# Altium PCB higgs.PcbDoc (part 13 of 25) (continued)
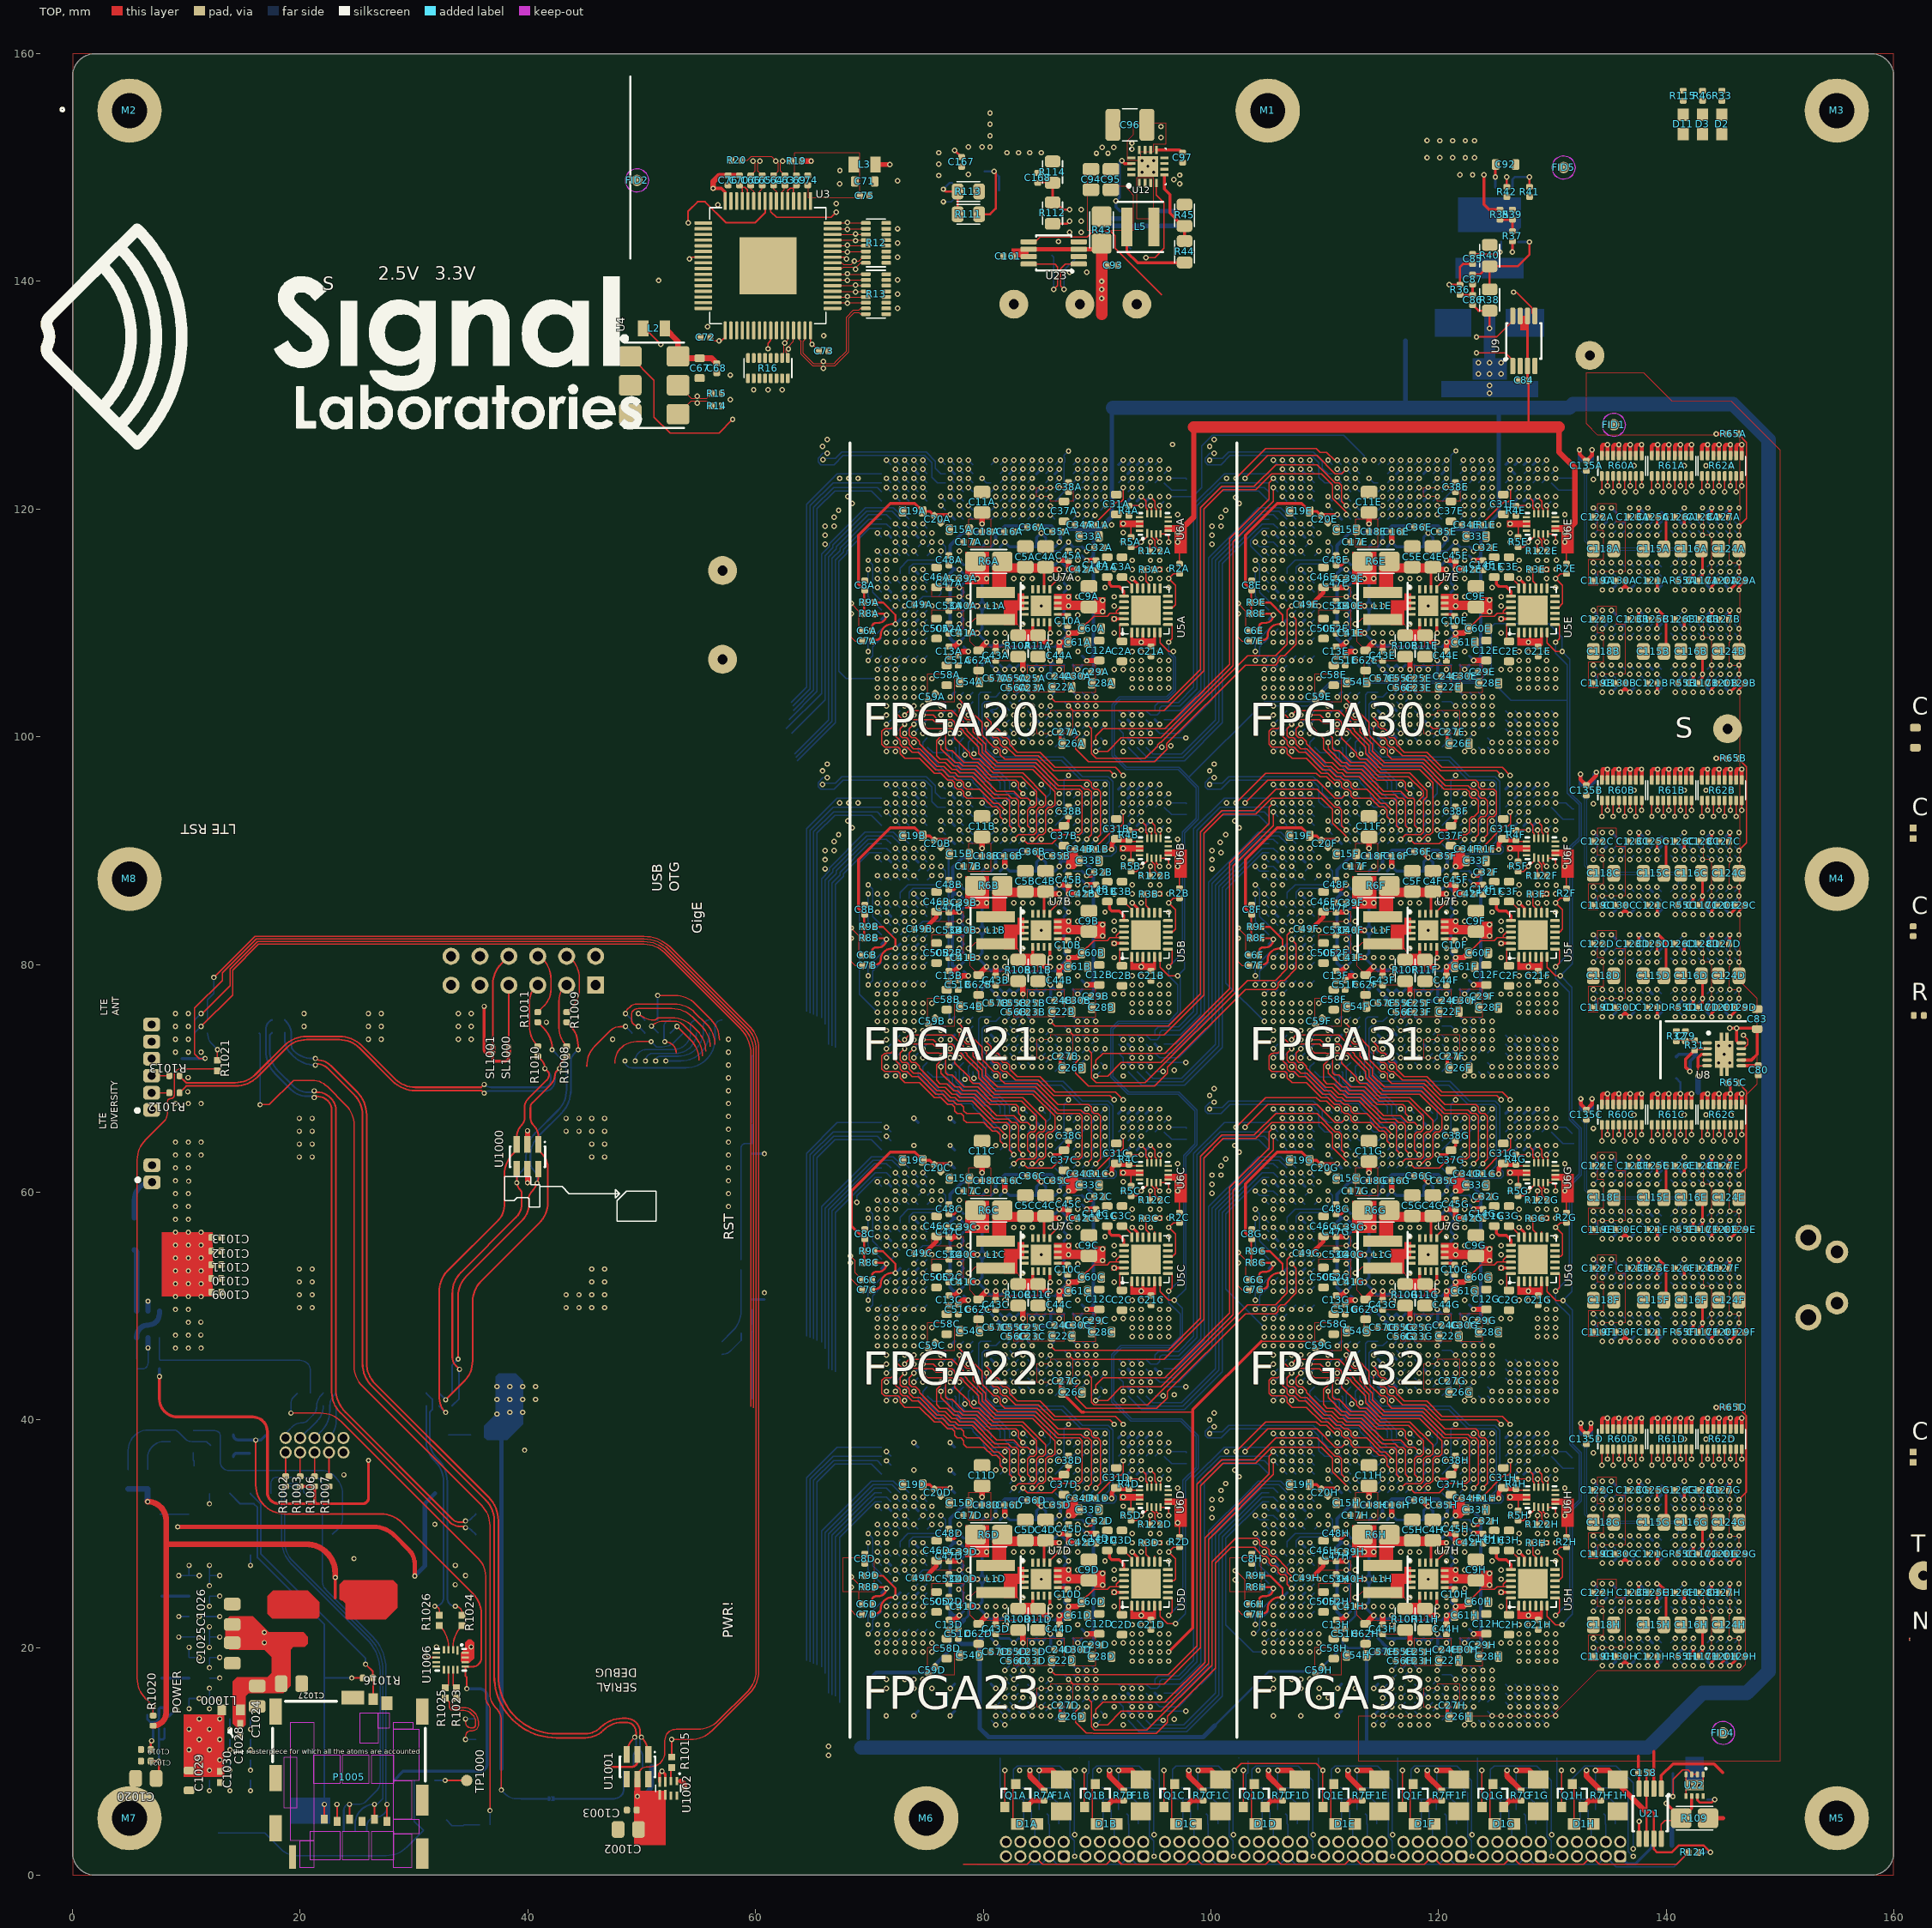
[diagram p0: TOP view]
## Nets (pads, with @x,y where several pads share a name; then routed paths per layer and width w, separated by ;. In a path a pad name is that pad's centre, name@x,y a point inside that pad or via, vN(x,y) a via of type N, cw(c..) or ccw(c..) an arc to the next point about the centre after c; other vN are vias at no path point) (continued)
  BOT w0.102: v1(74.7,72.6) U1B.F29@75.1,73 ; U1C.U6@83.9,62.9 v1(84.3,63.3)
IL12_21.LR.G0.D4_N: U1B.D31 U1C.U5 | length 16.3
  S2(H) w0.102: v1(73.1,71) 73.499,71.399 75.227,71.399 76.245,70.381 76.723,70.381 77.908,69.196 78.577,69.196 78.782,68.991 79.549,68.991 80.263,68.277 81.159,68.277 83.2,66.236 83.336,66.099 83.665,66.099 83.899,65.865 83.899,64.503 v1(84.3,64.1) v1(84.3,64.1)
  BOT w0.102: v1(73.1,71) U1B.D31@73.5,71.4 ; U1C.U5@83.9,63.7 v1(84.3,64.1)
IL12_21.LR.G0.D4_P: U1B.D30 U1C.T4 | length 15.9
  S2(H) w0.102: v1(73.1,71.8) 72.7,71.4 72.7,70.836 72.935,70.601 75.595,70.601 76.119,70.076 76.597,70.076 77.782,68.891 78.451,68.891 78.656,68.687 79.423,68.687 81.705,66.404 82.596,66.404 83.101,65.899 83.101,65.535 83.5,65.136 v1(83.5,64.9)
  BOT w0.102: v1(73.1,71.8) U1B.D30@73.5,72.2 ; U1C.T4@83.1,64.5 v1(83.5,64.9)
IL12_21.LR.G0.S_N: U1B.C31 U1C.T5 | length 17
  S2(H) w0.102: v1(72.3,71) 71.899,70.599 71.899,69.832 72.726,69.005 77.238,69.005 78.543,67.699 78.865,67.699 79.292,67.273 79.96,67.273 81.134,66.099 82.065,66.099 82.301,65.864 82.301,65.535 82.535,65.301 82.864,65.301 83.101,65.064 83.101,64.501 v1(83.5,64.1) v1(83.5,64.1)
  BOT w0.102: v1(72.3,71) U1B.C31@72.7,71.4 ; U1C.T5@83.1,63.7 v1(83.5,64.1)
IL12_21.LR.G0.S_P: U1B.B32 U1C.R4 | length 15
  S2(H) w0.102: v1(71.5,70.2) 71.5,69.8 72.6,68.7 77.111,68.7 78.299,67.512 78.299,67.101 78.499,66.901 79.901,66.901 81.501,65.301 81.999,65.301 82.001,65.299 82.065,65.299 82.464,64.9 v1(82.7,64.9)
  BOT w0.102: v1(71.5,70.2) U1B.B32@71.9,70.6 ; U1C.R4@82.3,64.5 v1(82.7,64.9)
IL12_21.LR.G1.D0_N: U1B.E32 U1C.P3 | length 10
  BOT w0.102: U1B.E32@74.3,70.6 74.3,70.274 76.802,67.772 78.966,67.772 79.119,67.619 79.119,67.485 80.002,66.602 80.002,66.298 80.299,66.001 80.299,65.8 80.399,65.7 80.866,65.7 81.265,65.3 U1C.P3@81.5,65.3
IL12_21.LR.G1.D0_P: U1B.F31 U1C.P2 | length 9.8
  BOT w0.102: U1B.F31@75.1,71.4 74.7,71 74.7,70.435 77.058,68.077 79.092,68.077 79.434,67.734 79.434,67.6 80.534,66.5 81.1,66.5 U1C.P2@81.5,66.1
IL12_21.LR.G1.D1_N: U1B.H32 U1C.P1 | length 7
  BOT w0.102: U1B.H32@76.7,70.6 76.742,70.6 77.291,70.052 77.291,69.583 78.187,68.687 79.345,68.687 80.145,67.886 81.114,67.886 81.5,67.5 U1C.P1@81.5,66.9
IL12_21.LR.G1.D1_P: U1B.F32 U1C.N1 | length 7.6
  BOT w0.102: U1B.F32@75.1,70.6 75.594,70.106 76.806,70.106 76.986,69.926 76.986,69.457 78.061,68.382 79.218,68.382 80.019,67.581 80.419,67.581 80.7,67.3 U1C.N1@80.7,66.9
IL12_21.LR.G1.D2_N: U1B.H30 U1C.U3 | length 13.4
  TOP w0.102: v1(76.3,71.8) 76.3,71.564 75.901,71.165 75.901,69.835 76.216,69.519 76.8,69.519 77.401,68.918 77.77,68.918 78.075,68.614 79.275,68.614 81.18,66.709 82.687,66.709 83.295,66.101 83.899,66.101 v1(84.3,65.7)
  BOT w0.102: v1(76.3,71.8) U1B.H30@76.7,72.2 ; U1C.U3@83.9,65.3 v1(84.3,65.7)
IL12_21.LR.G1.D2_P: U1B.H31 U1C.U2 | length 10.8
  TOP w0.102: v1(76.3,71) 76.3,70.451 77.528,69.223 77.897,69.223 78.201,68.918 79.401,68.918 80.621,67.699 82.865,67.699 83.099,67.465 83.099,66.901 v1(83.5,66.5)
  BOT w0.102: v1(76.3,71) U1B.H31@76.7,71.4 ; v1(83.5,66.5) U1C.U2@83.9,66.1
IL12_21.LR.G1.D3_N: U1B.K30 U1C.T3 | length 12
  S6(H) w0.102: v1(77.9,71.8) 77.9,69.836 78.235,69.501 78.704,69.501 79.318,68.887 79.451,68.887 80.257,68.081 83.284,68.081 83.899,67.465 83.899,66.099 v1(83.5,65.7)
  BOT w0.102: v1(77.9,71.8) U1B.K30@78.3,72.2 ; U1C.T3@83.1,65.3 v1(83.5,65.7)
IL12_21.LR.G1.D3_P: U1B.J30 U1C.R3 | length 11.8
  S6(H) w0.102: v1(77.1,71.8) 77.595,71.305 77.595,69.709 78.108,69.196 78.577,69.196 79.192,68.582 79.325,68.582 80.131,67.776 82.887,67.776 83.1,67.563 83.1,66.1 v1(82.7,65.7)
  BOT w0.102: v1(77.1,71.8) U1B.J30@77.5,72.2 ; U1C.R3@82.3,65.3 v1(82.7,65.7)
IL12_21.LR.G1.D4_N: U1B.L32 U1C.Y3 | length 10.8
  S6(H) w0.102: v1(79.2,70) 80.51,68.69 84.274,68.69 86.301,66.664 86.301,66.099 v1(86.7,65.7)
  BOT w0.102: U1B.L32@79.1,70.6 79.1,70.195 79.104,70.192 79.104,70.096 v1(79.2,70) ; U1C.Y3@86.3,65.3 v1(86.7,65.7)
IL12_21.LR.G1.D4_P: U1B.K32 U1C.W3 | length 10.8
  S6(H) w0.102: v1(78.4,69.9) 78.736,69.9 79.444,69.191 79.578,69.191 80.383,68.386 83.6,68.386 84.204,67.782 84.204,67.396 v1(85.9,65.7)
  BOT w0.102: U1B.K32@78.3,70.6 78.3,70 v1(78.4,69.9) ; U1C.W3@85.5,65.3 v1(85.9,65.7)
IL12_21.LR.G1.S_N: U1B.J32 U1C.T2 | length 8.4
  BOT w0.102: U1B.J32@77.5,70.6 77.595,70.505 77.595,69.709 78.313,68.991 79.471,68.991 80.272,68.19 81.241,68.19 81.9,67.531 81.9,66.735 82.135,66.5 82.7,66.5 U1C.T2@83.1,66.1
IL12_21.LR.G1.S_P: U1B.K31 U1C.R1 | length 7.7
  BOT w0.102: U1B.K31@78.3,71.4 77.9,71 77.9,69.835 78.439,69.296 79.597,69.296 80.398,68.495 81.367,68.495 82.3,67.562 U1C.R1@82.3,66.9
IL12_21.LR.G2.D0_N: U1B.K26 U1C.AD7 | length 22.8
  TOP w0.102: v1(77.9,75) 77.9,74.764 78.301,74.364 78.301,74.035 78.535,73.801 78.798,73.801 78.8,73.799 78.865,73.799 79.901,72.764 79.901,71.635 80.935,70.601 81.264,70.601 81.501,70.364 81.501,69.927 81.9,69.528 84.73,69.528 86.558,67.7 89.264,67.7 89.501,67.464 89.501,67.135 89.735,66.901 90.064,66.901 90.299,66.665 90.299,62.901 89.9,62.502 v1(89.9,62.5)
  BOT w0.102: v1(77.9,75) U1B.K26@78.3,75.4 ; U1C.AD7@89.5,62.1 v1(89.9,62.5)
IL12_21.LR.G2.D0_P: U1B.K27 U1C.AC7 | length 21.3
  TOP w0.102: v1(77.9,74.2) 77.9,73.636 78.535,73.001 78.864,73.001 79.099,72.765 79.099,71.958 80.209,70.849 80.209,70.266 81.252,69.223 84.603,69.223 86.623,67.204 88.592,67.204 88.896,66.899 89.265,66.899 89.499,66.665 89.499,62.899 v1(89.1,62.5)
  BOT w0.102: v1(77.9,74.2) U1B.K27@78.3,74.6 ; U1C.AC7@88.7,62.1 v1(89.1,62.5)
IL12_21.LR.G2.D1_N: U1B.L29 U1C.W5 | length 33.1
  S1(V) w0.102: v1(78.7,72.6) 79.099,72.999 79.099,74.365 78.865,74.599 76.135,74.599 75.335,73.8 71.335,73.8 70.796,73.261 70.796,71.9 71.297,71.399 73.265,71.399 73.499,71.165 73.499,70.836 74.045,70.29 74.29,70.29 76.701,67.879 76.701,67.135 76.935,66.901 77.264,66.901 77.499,66.665 77.499,66.335 77.733,66.101 78.935,66.101 79.236,65.8 79.236,65.36 80.896,63.699 85.499,63.699 v1(85.9,64.1)
  BOT w0.102: v1(78.7,72.6) U1B.L29@79.1,73 ; U1C.W5@85.5,63.7 v1(85.9,64.1)
IL12_21.LR.G2.D1_P: U1B.K28 U1C.Y5 | length 21.7
  S1(V) w0.102: v1(78.7,73.4) 77.9,73.4 77.501,73.001 76.936,73.001 76.701,72.765 76.701,72.435 76.936,72.199 77.265,72.199 77.499,71.965 77.499,70.236 78.439,69.296 79.606,69.296 80.212,68.69 86.91,68.69 v1(87.5,68.1)
  BOT w0.102: U1B.K28@78.3,73.8 v1(78.7,73.4) ; U1C.Y5@86.3,63.7 87.1,64.5 87.1,67.7 v1(87.5,68.1)
IL12_21.LR.G2.D2_N: U1B.N26 U1C.Y6 | length 29.4
  BOT w0.102: U1B.N26@80.7,75.4 79.8,75.4 79.596,75.196 79.596,72.308 79.995,71.909 79.995,70.308 80.894,69.41 86.89,69.41 88.601,67.699 90.865,67.699 91.099,67.465 91.099,62.334 90.271,61.506 87.694,61.506 U1C.Y6@86.3,62.9
IL12_21.LR.G2.D2_P: U1B.N27 U1C.Y7 | length 29.4
  BOT w0.102: U1B.N27@80.7,74.6 80.136,74.6 79.901,74.365 79.901,72.435 80.3,72.035 80.3,70.434 81.02,69.714 87.017,69.714 88.727,68.004 90.992,68.004 91.404,67.592 91.404,62.061 91.699,61.765 91.699,61.435 91.465,61.201 87.199,61.201 U1C.Y7@86.3,62.1
IL12_21.LR.G2.D3_N: U1B.P26 U1C.AC6 | length 20.6
  S6(H) w0.102: v1(80.3,75) 79.596,74.296 79.596,71.035 81.026,69.605 85.391,69.605 88.096,66.899 88.465,66.899 88.699,66.665 88.699,63.701 v1(89.1,63.3)
  BOT w0.102: v1(80.3,75) 81.1,75 U1B.P26@81.5,75.4 ; U1C.AC6@88.7,62.9 v1(89.1,63.3)
IL12_21.LR.G2.D3_P: U1B.P27 U1C.AB7 | length 21.5
  S6(H) w0.102: v1(80.3,74.2) 79.901,73.801 79.901,71.635 80.935,70.601 82.2,70.601 82.891,69.91 86.255,69.91 88.701,67.464 88.701,67.135 88.935,66.901 89.265,66.901 89.499,66.667 89.499,63.135 89.265,62.901 88.701,62.901 v1(88.3,62.5)
  BOT w0.102: v1(80.3,74.2) 81.1,74.2 U1B.P27@81.5,74.6 ; U1C.AB7@87.9,62.1 v1(88.3,62.5)
IL12_21.LR.G2.D4_N: U1B.L27 U1C.W4 | length 17.4
  S6(H) w0.102: v1(78.7,74.2) 78.299,73.799 78.299,71.47 80.774,68.995 84.4,68.995 86.2,67.195 86.569,67.195 87.099,66.665 87.099,65.535 86.865,65.301 86.301,65.301 v1(85.9,64.9)
  BOT w0.102: v1(78.7,74.2) U1B.L27@79.1,74.6 ; U1C.W4@85.5,64.5 v1(85.9,64.9)
IL12_21.LR.G2.D4_P: U1B.L26 U1C.Y4 | length 18.2
  S6(H) w0.102: v1(78.7,75) 78.7,74.764 79.099,74.365 79.099,71.101 80.9,69.3 84.527,69.3 86.327,67.5 87.064,67.5 87.899,66.665 87.899,65.904 86.895,64.9 v1(86.7,64.9)
  BOT w0.102: v1(78.7,75) U1B.L26@79.1,75.4 ; U1C.Y4@86.3,64.5 v1(86.7,64.9)
IL12_21.LR.G2.S_N: U1B.N29 U1C.AB6 | length 27.9
  TOP w0.102: v1(80.3,73.4) 80.3,73.164 80.699,72.765 80.699,72.437 80.935,72.201 81.264,72.201 81.5,71.964 81.5,71.636 81.736,71.399 82.065,71.399 82.299,71.165 82.299,70.836 82.998,70.138 84.982,70.138 86.316,68.804 91.614,68.804 v1@92.309,68.109
  S6(H) w0.102: v1(88.3,63.3) 87.901,62.901 87.901,62.335 88.136,62.1 90.064,62.1 90.299,62.335 90.299,68.099 90.699,68.499 91.901,68.499 v1(92.3,68.1)
  BOT w0.102: v1(80.3,73.4) U1B.N29@80.7,73 ; U1C.AB6@87.9,62.9 v1(88.3,63.3)
IL12_21.LR.G2.S_P: U1B.N30 U1C.AB5 | length 26.5
  TOP w0.102: v1(80.3,72.6) 80.3,72.036 80.935,71.401 81.264,71.401 81.499,71.165 81.499,70.836 81.735,70.601 82.064,70.601 82.832,69.833 84.856,69.833 86.19,68.499 91.118,68.499 v1@91.509,68.109
  S6(H) w0.102: v1(88.3,64.1) 87.596,63.396 87.596,62.208 88.009,61.795 90.191,61.795 91.099,62.704 91.099,67.699 v1(91.5,68.1)
  BOT w0.102: v1(80.3,72.6) U1B.N30@80.7,72.2 ; U1C.AB5@87.9,63.7 v1(88.3,64.1)
IL12_21.LR.G3.D0_N: U1B.E30 U1C.AB4 | length 19.5
  S1(V) w0.102: v1(73.9,71.8) 73.9,71.68 74.395,71.185 74.395,70.616 77.501,67.51 77.501,67.135 77.736,66.9 79.416,66.9 81.017,65.299 86.065,65.299 86.301,65.064 86.301,64.735 86.535,64.501 87,64.501 87.399,64.9 v1(88.3,64.9)
  BOT w0.102: v1(73.9,71.8) U1B.E30@74.3,72.2 ; U1C.AB4@87.9,64.5 v1(88.3,64.9)
IL12_21.LR.G3.D0_P: U1B.F30 U1C.AB3 | length 18.4
  S1(V) w0.102: v1(74.7,71.8) 74.7,70.742 77.67,67.772 78.975,67.772 80.647,66.1 86.105,66.1 86.299,65.905 86.299,65.8 86.301,65.798 86.301,65.535 86.535,65.301 86.998,65.301 87,65.299 87.899,65.299 v1(88.3,65.7)
  BOT w0.102: v1(74.7,71.8) U1B.F30@75.1,72.2 ; U1C.AB3@87.9,65.3 v1(88.3,65.7)
IL12_21.LR.G3.D1_N: U1B.D32 U1C.AD4 | length 24.3
  S1(V) w0.102: v1(73.099,70.199) 74.998,68.3 74.998,67.997 75.404,67.592 75.404,66.792 76.896,65.299 77.265,65.299 77.499,65.065 77.499,64.802 77.501,64.8 77.501,64.735 77.735,64.501 78.495,64.501 81.091,61.905 86.805,61.905 87.545,62.645 87.545,64.143 87.901,64.499 88.464,64.499 88.864,64.9 v1(89.9,64.9)
  BOT w0.102: v1(73.099,70.199) U1B.D32@73.499,70.599 ; U1C.AD4@89.5,64.5 v1(89.9,64.9)
IL12_21.LR.G3.D1_P: U1B.C32 U1C.AC5 | length 24.3
  S1(V) w0.102: v1@72.299,70.199 72.365,70.199 74.299,68.265 74.299,67.137 74.536,66.899 74.865,66.899 76.394,65.37 76.394,65.001 76.895,64.5 77.264,64.5 77.501,64.264 77.501,63.935 77.735,63.701 78.864,63.701 80.964,61.6 87.075,61.6 87.85,62.375 87.85,63.551 87.998,63.699 88.699,63.699 v1(89.1,64.1)
  BOT w0.102: v1@72.299,70.199 U1B.C32@72.699,70.599 ; U1C.AC5@88.7,63.7 v1(89.1,64.1)
  other v1: 72.3,70.2
IL12_21.LR.G3.D2_N: U1B.L30 U1C.Y1 | length 10.6
  BOT w0.102: U1B.L30@79.1,72.2 79.5,71.8 79.5,70.5 79.691,70.309 79.691,70.109 80.695,69.105 84.695,69.105 86.3,67.5 U1C.Y1@86.3,66.9
IL12_21.LR.G3.D2_P: U1B.L31 U1C.W2 | length 11.4
  BOT w0.102: U1B.L31@79.1,71.4 78.7,71 78.7,70.4 78.795,70.305 78.795,70.069 78.799,70.065 78.799,69.836 79.035,69.601 79.768,69.601 80.569,68.8 84.569,68.8 85.9,67.469 85.9,66.5 U1C.W2@85.5,66.1
IL12_21.LR.G3.D3_N: U1B.K29 U1C.AE3 | length 19.6
  S1(V) w0.102: v1(77.9,72.6) 78.136,72.6 79.264,71.471 79.264,70.5 80.464,69.3 89.695,69.3 91.404,67.592 91.404,66.168 90.936,65.7 v1(90.7,65.7)
  BOT w0.102: v1(77.9,72.6) U1B.K29@78.3,73 ; U1C.AE3@90.3,65.3 v1(90.7,65.7)
IL12_21.LR.G3.D3_P: U1B.J29 U1C.AD3 | length 20.9
  S1(V) w0.102: v1(77.1,72.6) 77.336,72.6 77.736,72.2 78.105,72.2 78.799,71.505 78.799,69.8 78.998,69.601 79.732,69.601 80.338,68.995 89.569,68.995 91.099,67.465 91.099,66.335 90.864,66.1 90.3,66.1 v1(89.9,65.7) v1(89.9,65.7)
  BOT w0.102: v1(77.1,72.6) U1B.J29@77.5,73 ; U1C.AD3@89.5,65.3 v1(89.9,65.7)
IL12_21.LR.G3.D4_N: U1B.H28 U1C.AE2 | length 20.3
  S1(V) w0.102: v1(76.3,73.4) 76.3,72.364 76.699,71.965 76.699,70.605 78.313,68.991 79.48,68.991 80.086,68.386 86.65,68.386 87.335,67.701 87.665,67.701 87.937,67.972 89.792,67.972 90.299,67.465 90.299,67.301 90.301,67.299 90.301,66.901 v1(90.7,66.5) v1(90.7,66.5)
  BOT w0.102: v1(76.3,73.4) U1B.H28@76.7,73.8 ; U1C.AE2@90.3,66.1 v1(90.7,66.5)
IL12_21.LR.G3.D4_P: U1B.H27 U1C.AC2 | length 19.7
  S1(V) w0.102: v1(76.3,74.2) 75.901,73.801 75.901,70.835 78.049,68.687 79.354,68.687 79.959,68.081 86.524,68.081 87.208,67.396 88.204,67.396 v1(89.1,66.5)
  BOT w0.102: v1(76.3,74.2) U1B.H27@76.7,74.6 ; U1C.AC2@88.7,66.1 v1(89.1,66.5)
IL12_21.LR.G3.S_N: U1B.B30 U1C.AB2 | length 23.4
  S1(V) w0.102: v1(71.5,71.8) 71.101,72.199 71.101,72.765 71.335,72.999 72.299,72.999 ; v1(88.3,66.5) 87.709,67.091 87.082,67.091 86.397,67.776 79.833,67.776 79.227,68.382 77.923,68.382 75.596,70.708 75.596,72.696 75.292,73 72.3,73 ; 72.299,72.999 72.3,73
  BOT w0.102: v1(71.5,71.8) U1B.B30@71.9,72.2 ; U1C.AB2@87.9,66.1 v1(88.3,66.5)
IL12_21.LR.G3.S_P: U1B.B29 U1C.AC3 | length 22.3
  S1(V) w0.102: v1(71.5,72.6) 71.9,72.2 74.864,72.2 75.099,71.965 75.099,70.774 77.797,68.077 79.101,68.077 80.277,66.901 85.735,66.901 86.535,66.101 86.798,66.101 86.8,66.099 88.701,66.099 v1(89.1,65.7)
  BOT w0.102: v1(71.5,72.6) U1B.B29@71.9,73 ; U1C.AC3@88.7,65.3 v1(89.1,65.7)
IL12_21.TB.G8.D0_N: U1B.B22 U1C.AH1 | length 30.4
  S2(H) w0.102: v1(71.5,78.2) 71.901,77.799 71.901,77.235 72.136,77 76.9,77 77.5,76.4 77.5,72.436 77.735,72.201 78.064,72.201 80.768,69.496 81.873,69.496 81.874,69.495 82.567,69.495 83.48,68.582 92.618,68.582 93.1,68.1 v1(93.1,67.3)
  BOT w0.102: v1(71.5,78.2) U1B.B22@71.9,78.6
  BOT w0.254: U1C.AH1@92.7,66.9 v1(93.1,67.3)
IL12_21.TB.G8.D0_P: U1B.A22 U1C.AG1 | length 36.1
  S2(H) w0.102: v1(70.7,78.2) 70.3,77.8 70.3,76.436 70.536,76.199 70.865,76.199 71.099,75.965 71.099,75.636 71.336,75.399 71.665,75.399 71.899,75.165 71.899,75.101 71.901,75.099 71.901,74.835 72.135,74.601 75.095,74.601 75.596,74.1 75.596,72.308 75.901,72.004 75.901,71.635 76.136,71.399 76.465,71.399 76.699,71.165 76.699,70.836 78.035,69.501 78.704,69.501 78.908,69.296 79.675,69.296 80.39,68.582 81.3,68.582 81.301,68.581 82.188,68.581 83.1,67.669 83.1,67.367 83.101,67.366 83.101,67.135 83.335,66.901 83.599,66.901 83.6,66.9 87.8,66.9 ; 87.801,66.899 88.465,66.899 88.699,66.665 88.699,66.402 88.701,66.4 88.701,66.335 88.935,66.101 89.735,66.101 89.736,66.099 91.665,66.099 91.899,65.865 91.899,65.601 91.901,65.599 91.901,65.535 92.135,65.301 93.265,65.301 93.499,65.535 93.499,66.5 93.499,66.665 93.265,66.899 92.936,66.899 92.631,67.205 92.395,67.205 v1(92.3,67.3)
  BOT w0.102: v1(70.7,78.2) U1B.A22@71.1,78.6
  BOT w0.254: U1C.AG1@91.9,66.9 v1(92.3,67.3)
IL12_21.TB.G8.D1_N: U1B.D22 U1C.AM2 | length 32.7
  S2(H) w0.102: v1(73.1,78.2) 73.499,78.599 77.025,78.599 79.901,75.723 79.901,74.9 79.901,73.4 79.901,72.765 79.901,72.435 80.135,72.201 82.864,72.201 83.099,71.965 83.099,70.687 83.985,69.801 93.899,69.801 96.3,67.4 v1(96.3,66.5)
  BOT w0.102: v1(73.1,78.2) U1B.D22@73.5,78.6 ; U1C.AM2@95.9,66.1 v1(96.3,66.5)
IL12_21.TB.G8.D1_P: U1B.C22 U1C.AL1 | length 32.1
  S2(H) w0.102: v1(72.3,78.2) 73.195,77.305 77.026,77.305 78.3,76.031 78.3,72.436 78.535,72.201 78.842,72.201 80.701,70.342 80.701,70.035 80.935,69.801 81.999,69.801 82,69.8 82.693,69.8 83.607,68.887 92.8,68.887 93.5,68.187 93.5,67.3 93.501,67.299 93.501,67.135 93.736,66.9 95.1,66.9 v1(95.5,67.3)
  BOT w0.102: v1(72.3,78.2) U1B.C22@72.7,78.6 ; U1C.AL1@95.1,66.9 v1(95.5,67.3)
IL12_21.TB.G8.D2_N: U1B.F22 U1C.AK1 | length 28.4
  S2(H) w0.102: v1(74.7,78.2) 76.993,78.2 79.596,75.597 79.596,72.308 80.504,71.401 82.064,71.401 82.299,71.165 82.299,70.837 82.726,70.41 82.946,70.41 83.859,69.496 93.604,69.496 94.7,68.4 v1(94.7,67.3)
  BOT w0.102: v1(74.7,78.2) U1B.F22@75.1,78.6
  BOT w0.254: U1C.AK1@94.3,66.9 v1(94.7,67.3)
IL12_21.TB.G8.D2_P: U1B.E22 U1C.AJ1 | length 28.4
  S2(H) w0.102: v1(73.9,78.2) 74.49,77.61 77.153,77.61 79.291,75.471 79.291,72.182 80.873,70.601 82.104,70.601 82.6,70.105 82.819,70.105 83.733,69.191 93.478,69.191 93.9,68.769 v1(93.9,67.3)
  BOT w0.102: v1(73.9,78.2) U1B.E22@74.3,78.6
  BOT w0.254: U1C.AJ1@93.5,66.9 v1(93.9,67.3)
IL12_21.TB.G8.D3_N: U1B.B23 U1C.AH3 | length 30.6
  S2(H) w0.102: v1(71.5,77.4) 71.5,77.164 71.899,76.765 71.899,76.501 71.901,76.499 71.901,76.435 72.136,76.2 76.299,76.2 76.701,75.798 76.701,72.435 76.935,72.201 77.264,72.201 77.501,71.964 77.501,71.635 77.735,71.401 78.432,71.401 80.642,69.191 81.747,69.191 ; v1(93.1,65.7) v1(93.1,65.7) 92.701,66.101 92.701,66.499 92.699,66.501 92.699,66.665 92.464,66.9 92.136,66.9 91.899,67.136 91.899,67.465 91.665,67.699 91.302,67.699 91.3,67.701 87.335,67.701 86.759,68.277 83.354,68.277 82.441,69.19 81.748,69.19 ; 81.747,69.191 81.748,69.19
  BOT w0.102: v1(71.5,77.4) U1B.B23@71.9,77.8 ; U1C.AH3@92.7,65.3 v1(93.1,65.7)
IL12_21.TB.G8.D3_P: U1B.A23 U1C.AG3 | length 30.4
  S2(H) w0.102: v1(70.7,77.4) 71.099,77.001 71.099,76.436 71.336,76.199 71.665,76.199 71.901,75.964 71.901,75.635 72.135,75.401 75.699,75.401 75.901,75.199 75.901,72.765 75.901,72.435 76.136,72.199 76.465,72.199 76.699,71.965 76.699,71.637 76.935,71.401 77.304,71.401 78.405,70.299 78.565,70.299 78.799,70.065 78.799,69.836 79.035,69.601 79.801,69.601 80.516,68.887 81.62,68.887 81.621,68.886 82.314,68.886 83.228,67.972 86.632,67.972 87.208,67.396 88.439,67.396 88.936,66.9 91.6,66.9 ; 91.601,66.899 91.665,66.899 91.901,66.664 91.901,66.335 92.3,65.936 v1(92.3,65.7)
  BOT w0.102: v1(70.7,77.4) U1B.A23@71.1,77.8 ; U1C.AG3@91.9,65.3 v1(92.3,65.7)
IL12_21.TB.G13.C_N: U1B.F17 U1C.AE1 | length 29.6
  S5(V) w0.102: v1(74.7,82.2) 77.336,82.2 77.735,81.801 80.464,81.801 81.499,80.765 81.499,80.601 81.5,70.836 81.735,70.601 81.999,70.601 82.001,70.599 82.065,70.599 82.668,69.997 87.426,69.997 88.327,69.095 89.8,69.095 90.7,68.195 v1(90.7,67.3)
  BOT w0.102: v1(74.7,82.2) U1B.F17@75.1,82.6 ; U1C.AE1@90.3,66.9 v1(90.7,67.3)
IL12_21.TB.G13.C_P: U1B.E17 U1C.AD1 | length 32.8
  S5(V) w0.102: v1(73.9,82.2) 74.3,82.6 80.5,82.6 82.299,80.801 82.299,70.836 82.834,70.302 87.552,70.302 88.453,69.4 89.926,69.4 91.099,68.227 91.099,67.135 90.865,66.901 90.299,66.901 v1(89.9,67.3)
  BOT w0.102: v1(73.9,82.2) U1B.E17@74.3,82.6 ; U1C.AD1@89.5,66.9 v1(89.9,67.3)
IL12_21.TB.G13.D0_N: U1B.F18 U1C.AC1 | length 26.5
  S5(V) w0.102: v1(74.7,81.4) 76.905,81.4 78.037,80.268 79.268,80.268 79.901,79.635 79.901,72.6 79.901,72.336 80.394,71.842 80.394,70.341 81.348,69.387 87.013,69.387 v1(89.1,67.3)
  BOT w0.102: v1(74.7,81.4) U1B.F18@75.1,81.8 ; U1C.AC1@88.7,66.9 v1(89.1,67.3)
IL12_21.TB.G13.D0_P: U1B.D18 U1C.AB1 | length 32.3
  S5(V) w0.102: v1(73.1,81.4) v1(73.1,81.4) 73.501,81.799 73.899,81.799 ; 73.9,81.8 76.936,81.8 77.735,81.001 80.464,81.001 80.699,80.765 80.699,71.1 80.701,71.098 80.701,70.835 80.936,70.599 81.265,70.599 81.5,70.364 81.5,70.036 81.844,69.692 87.299,69.692 89.5,67.491 89.5,67.136 89.265,66.901 87.901,66.901 v1(87.5,66.5)
  BOT w0.102: v1(73.1,81.4) U1B.D18@73.5,81.8 ; v1(87.5,66.5) U1C.AB1@87.9,66.9
IL12_21.TB.G13.D1_N: U1B.B19 U1C.V7 | length 29.5
  S5(V) w0.102: v1(71.5,80.6) 71.101,80.201 71.101,78.835 71.336,78.599 71.665,78.599 71.899,78.365 71.899,78.201 71.901,78.199 71.901,76.435 72.135,76.201 72.464,76.201 72.701,75.964 72.701,74.835 72.935,74.601 73.098,74.601 73.1,74.599 73.265,74.599 73.501,74.364 73.501,74.035 73.736,73.799 74.065,73.799 74.301,73.564 74.301,70.844 77.499,67.646 77.499,67.136 77.736,66.9 79.695,66.9 80.496,66.099 82.065,66.099 82.299,65.865 82.299,65.535 82.28,65.516 82.496,65.299 82.865,65.299 83.099,65.065 83.099,64.736 83.336,64.499 84.465,64.499 84.699,64.265 84.699,63.901 84.9,63.7 85.264,63.7 85.499,63.465 85.499,62.899 v1(85.1,62.5)
  BOT w0.102: v1(71.5,80.6) U1B.B19@71.9,81 ; U1C.V7@84.7,62.1 v1(85.1,62.5)
IL12_21.TB.G13.D1_P: U1B.A19 U1C.V6 | length 29.6
  S5(V) w0.102: v1(69.9,79) 70.3,78.6 70.3,78.101 ; 70.301,78.1 70.301,77.235 70.536,76.999 70.865,76.999 71.101,76.764 71.101,76.435 71.335,76.201 71.664,76.201 71.899,75.965 71.899,74.836 72.135,74.601 72.464,74.601 72.7,74.364 72.7,74.2 ; 72.701,74.2 72.701,74.035 72.936,73.799 73.265,73.799 73.499,73.565 73.499,70.836 73.779,70.557 74.157,70.557 76.701,68.013 76.701,66.335 76.936,66.099 80.065,66.099 80.561,65.604 81.392,65.604 81.696,65.299 82.065,65.299 82.301,65.064 82.301,64.735 82.536,64.499 82.865,64.499 83.101,64.264 83.101,63.935 83.335,63.701 84.464,63.701 84.864,63.3 v1(85.1,63.3)
  BOT w0.102: v1(69.9,79) 69.9,79.8 U1B.A19@71.1,81 ; U1C.V6@84.7,62.9 v1(85.1,63.3)
IL12_21.TB.G13.D2_N: U1B.D19 U1C.W1 | length 23.8
  S5(V) w0.102: v1(73.1,80.6) 73.501,80.199 74.065,80.199 74.3,79.964 74.3,79.636 74.535,79.401 76.306,79.401 77.501,78.206 77.501,69.804 78.108,69.196 79.815,69.196 80.843,68.168 84.232,68.168 v1(85.1,67.3)
  BOT w0.102: v1(73.1,80.6) U1B.D19@73.5,81 ; v1(85.1,67.3) U1C.W1@85.5,66.9
IL12_21.TB.G13.D2_P: U1B.C19 U1C.V1 | length 24.5
  S5(V) w0.102: v1(72.3,80.6) 71.9,80.2 71.9,78.836 72.135,78.601 72.464,78.601 72.699,78.365 72.699,78.037 73.5,77.236 73.5,75.3 ; 73.501,75.299 73.501,74.835 73.735,74.601 74.064,74.601 74.299,74.365 74.299,74.2 74.301,74.198 74.301,74.035 74.536,73.799 74.865,73.799 75.291,73.373 75.291,70.285 77.877,67.699 79.327,67.699 80.623,66.404 82.192,66.404 82.495,66.101 83.901,66.101 v1(84.3,66.5)
  BOT w0.102: v1(72.3,80.6) U1B.C19@72.7,81 ; v1(84.3,66.5) U1C.V1@84.7,66.9
IL12_21.TB.G13.D3_N: U1B.F19 U1C.AE4 | length 29.4
  S5(V) w0.102: v1(74.7,80.6) 75.969,80.6 77.969,78.6 78.864,78.6 79.099,78.365 79.099,72.275 79.785,71.59 79.785,70.089 81.096,68.778 85.608,68.778 86.301,68.085 86.301,66.335 86.536,66.099 86.865,66.099 87.664,65.301 88.298,65.301 88.3,65.299 88.465,65.299 89.264,64.501 90.301,64.501 v1(90.7,64.9)
  BOT w0.102: v1(74.7,80.6) U1B.F19@75.1,81 ; U1C.AE4@90.3,64.5 v1(90.7,64.9)
IL12_21.TB.G13.D3_P: U1B.E19 U1C.AE5 | length 32.2
  S5(V) w0.102: v1(73.9,80.6) 74.299,80.999 76.001,80.999 77.599,79.401 79.095,79.401 79.596,78.9 79.596,72.209 80.09,71.716 80.09,70.215 81.222,69.082 86.018,69.082 87.1,68 87.1,66.336 87.336,66.099 88.465,66.099 88.699,65.865 88.699,65.7 88.701,65.698 88.701,65.535 88.935,65.301 89.217,65.301 89.218,65.3 90.3,65.3 ; v1(90.7,64.1) 91.099,64.499 91.099,65.065 90.865,65.299 90.301,65.299 ; 90.3,65.3 90.301,65.299
  BOT w0.102: v1(73.9,80.6) U1B.E19@74.3,81 ; U1C.AE5@90.3,63.7 v1(90.7,64.1)
IL12_21.TB.G13.D4_N: U1B.C20 U1C.U1 | length 21.6
  S5(V) w0.102: v1(72.3,79.8) 72.3,79.564 72.699,79.165 72.699,78.901 73.001,78.599 73.265,78.599 73.499,78.365 73.499,77.668 74.299,76.868 74.299,76.501 ; 74.3,76.5 74.3,75.164 75.596,73.868 75.596,70.411 78.003,68.004 79.454,68.004 80.557,66.901 83.101,66.901 v1(83.5,67.3)
  BOT w0.102: v1(72.3,79.8) U1B.C20@72.7,80.2 ; v1(83.5,67.3) U1C.U1@83.9,66.9
IL12_21.TB.G13.D4_P: U1B.A20 U1C.T1 | length 28.6
  S5(V) w0.102: v1(69.9,78.2) 69.501,78.599 69.501,79.165 71.335,80.999 72.465,80.999 72.699,80.765 72.699,79.596 73.504,78.791 74.673,78.791 75.901,77.564 75.901,70.537 78.129,68.309 79.58,68.309 80.589,67.3 v1(82.7,67.3)
  BOT w0.102: v1(69.9,78.2) 70.3,78.6 70.3,79.4 U1B.A20@71.1,80.2 ; v1(82.7,67.3) U1C.T1@83.1,66.9
IL12_21.TB.G13.D5_N: U1B.F20 U1C.AE6 | length 32.2
  S5(V) w0.102: v1(74.7,79.8) 76.338,79.8 78.3,77.838 78.3,70.9 78.001,70.601 78.001,69.735 78.235,69.501 79.942,69.501 80.97,68.473 85.482,68.473 85.996,67.958 85.996,66.208 86.302,65.902 86.302,65.867 86.301,65.865 86.301,65.535 86.535,65.301 86.702,65.301 ; 86.702,65.299 86.865,65.299 87.099,65.065 87.099,63.401 87.599,62.901 89.265,62.901 89.499,63.135 89.499,63.464 89.735,63.699 90.098,63.699 90.1,63.701 90.299,63.701 v1(90.7,63.3)
  BOT w0.102: v1(74.7,79.8) U1B.F20@75.1,80.2 ; U1C.AE6@90.3,62.9 v1(90.7,63.3)
IL12_21.TB.G13.D5_P: U1B.D20 U1C.AD6 | length 32.2
  S5(V) w0.102: v1(73.1,79.8) 73.336,79.8 74.039,79.096 75.635,79.096 76.701,78.03 76.701,70.168 77.978,68.891 79.689,68.891 80.717,67.863 83.972,67.863 85.501,66.335 85.501,65.535 85.736,65.299 86.065,65.299 86.299,65.065 86.299,63.401 87.599,62.101 89.301,62.101 89.501,62.301 89.501,62.665 89.9,63.064 v1(89.9,63.3)
  BOT w0.102: v1(73.1,79.8) U1B.D20@73.5,80.2 ; U1C.AD6@89.5,62.9 v1(89.9,63.3)
IL12_21.TB.G13.D6: U1B.C23 U1C.U4 | length 32.5
  S1(V) w0.102: v1(72.3,77.4) 71.899,76.999 71.335,76.999 71.1,76.764 71.1,73.995 70.491,73.387 70.491,71.444 71.335,70.601 73.262,70.601 75.901,67.962 75.901,67.135 76.936,66.099 77.265,66.099 77.501,65.864 77.501,65.535 77.735,65.301 78.864,65.301 80.701,63.464 80.701,63.135 80.935,62.901 86.176,62.901 86.299,63.024 86.299,64.265 86.064,64.5 ; v1(84.3,64.9) 84.699,64.501 86.064,64.501 ; 85.5,64.5 86.064,64.5
  BOT w0.102: v1(72.3,77.4) U1B.C23@72.7,77.8 ; U1C.U4@83.9,64.5 v1(84.3,64.9)
IL12_22.LR.G0.D0_N: U1C.D28 U1D.T7 | length 29.8
  TOP w0.102: v1(73.1,44.9) 73.499,45.299 74.699,45.299 ; 74.7,45.3 76.5,45.3 ; 76.501,45.299 77.265,45.299 78.064,44.501 78.299,44.265 78.299,43.937 78.604,43.632 78.604,43.523 79.904,42.223 79.904,41.64 81.126,40.418 84.477,40.418 86.496,38.399 88.465,38.399 88.699,38.165 88.699,34.635 88.465,34.401 86.865,34.401 86.065,33.601 83.899,33.601 v1(83.5,34)
  BOT w0.102: v1(73.1,44.9) U1C.D28@73.5,45.3 ; U1D.T7@83.1,33.6 v1(83.5,34)
IL12_22.LR.G0.D0_P: U1C.C28 U1D.R7 | length 23.7
  TOP w0.102: v1(72.3,44.9) 72.536,44.9 72.935,44.501 74.699,44.501 ; 74.7,44.5 75.569,44.5 75.873,44.196 76.399,44.196 76.895,43.701 77.264,43.701 77.501,43.464 77.501,42.864 78.801,41.564 78.801,41.335 79.108,41.028 79.654,41.028 80.873,39.809 83.487,39.809 85.5,37.795 85.5,37.275 85.499,37.274 85.499,37.035 85.265,36.801 84.936,36.801 84.701,36.565 84.701,34.902 84.699,34.9 84.699,34.635 84.464,34.4 83.1,34.4 v1(82.7,34)
  BOT w0.102: v1(72.3,44.9) U1C.C28@72.7,45.3 ; U1D.R7@82.3,33.6 v1(82.7,34)
IL12_22.LR.G0.D1_N: U1C.C30 U1D.P4 | length 14.2
  TOP w0.102: v1(72.3,43.3) 72.3,43.064 72.699,42.665 72.699,42.336 72.935,42.101 73.304,42.101 73.767,41.638 74.305,41.638 75.838,40.105 76.422,40.105 77.023,39.504 77.392,39.504 77.696,39.199 78.065,39.199 78.301,38.964 78.301,38.635 78.535,38.401 79.695,38.401 80.926,37.169 81.326,37.169 81.9,36.595 v1(81.9,36.4)
  BOT w0.102: v1(72.3,43.3) U1C.C30@72.7,43.7 ; U1D.P4@81.5,36 v1(81.9,36.4)
IL12_22.LR.G0.D1_P: U1C.C29 U1D.P5 | length 18.2
  TOP w0.102: v1(72.3,44.1) 72.298,44.1 71.899,43.701 71.501,43.701 71.499,43.699 71.335,43.699 71.101,43.465 71.101,42.665 71.101,42.335 71.335,42.101 72.504,42.101 72.7,41.905 72.7,41.534 73.134,41.1 74.411,41.1 75.711,39.8 76.295,39.8 76.896,39.199 77.265,39.199 77.501,38.964 77.501,38.635 77.736,38.399 78.065,38.399 78.299,38.165 78.299,37.836 78.535,37.601 80.064,37.601 80.8,36.864 81.2,36.864 81.499,36.565 81.499,36.001 v1(81.9,35.6)
  BOT w0.102: v1(72.3,44.1) U1C.C29@72.7,44.5 ; U1D.P5@81.5,35.2 v1(81.9,35.6)
IL12_22.LR.G0.D2_N: U1C.E29 U1D.T6 | length 17.1
  TOP w0.102: v1(73.9,44.1) 73.501,43.701 73.501,43.135 73.735,42.901 74.064,42.901 74.4,42.564 74.4,42.405 76.09,40.714 76.674,40.714 77.275,40.114 77.644,40.114 77.949,39.809 79.149,39.809 81.054,37.904 82.192,37.904 82.496,37.599 82.865,37.599 83.099,37.365 83.099,35.201 v1(83.5,34.8)
  BOT w0.102: v1(73.9,44.1) U1C.E29@74.3,44.5 ; U1D.T6@83.1,34.4 v1(83.5,34.8)
IL12_22.LR.G0.D2_P: U1C.D29 U1D.R6 | length 17.2
  TOP w0.102: v1(73.1,44.1) 72.701,43.701 72.701,43.1 72.902,42.899 73.265,42.899 73.499,42.665 73.499,42.336 73.893,41.942 74.431,41.942 75.964,40.41 76.548,40.41 77.149,39.809 77.518,39.809 77.823,39.504 79.023,39.504 80.927,37.599 82.065,37.599 82.299,37.365 82.299,35.201 v1(82.7,34.8)
  BOT w0.102: v1(73.1,44.1) U1C.D29@73.5,44.5 ; U1D.R6@82.3,34.4 v1(82.7,34.8)
IL12_22.LR.G0.D3_N: U1C.F28 U1D.U7 | length 21.6
  TOP w0.102: v1(74.7,44.9) 75.6,44.9 75.999,44.501 76.6,44.501 76.602,44.499 77.265,44.499 77.499,44.265 77.499,44.101 77.501,44.099 77.501,43.935 77.735,43.701 78.064,43.701 78.299,43.465 78.299,43.396 79.599,42.096 79.599,41.514 80.999,40.114 84.351,40.114 86.301,38.164 86.301,37.1 ; v1(84.3,34) 84.536,34 84.936,34.401 85.265,34.401 85.501,34.636 85.501,36.565 85.736,36.801 86.065,36.801 86.299,37.035 86.299,37.125
  BOT w0.102: v1(74.7,44.9) U1C.F28@75.1,45.3 ; U1D.U7@83.9,33.6 v1(84.3,34)